# Altium PCB MOSAIC_RCB.PcbDoc (part 1 of 2) (continued)
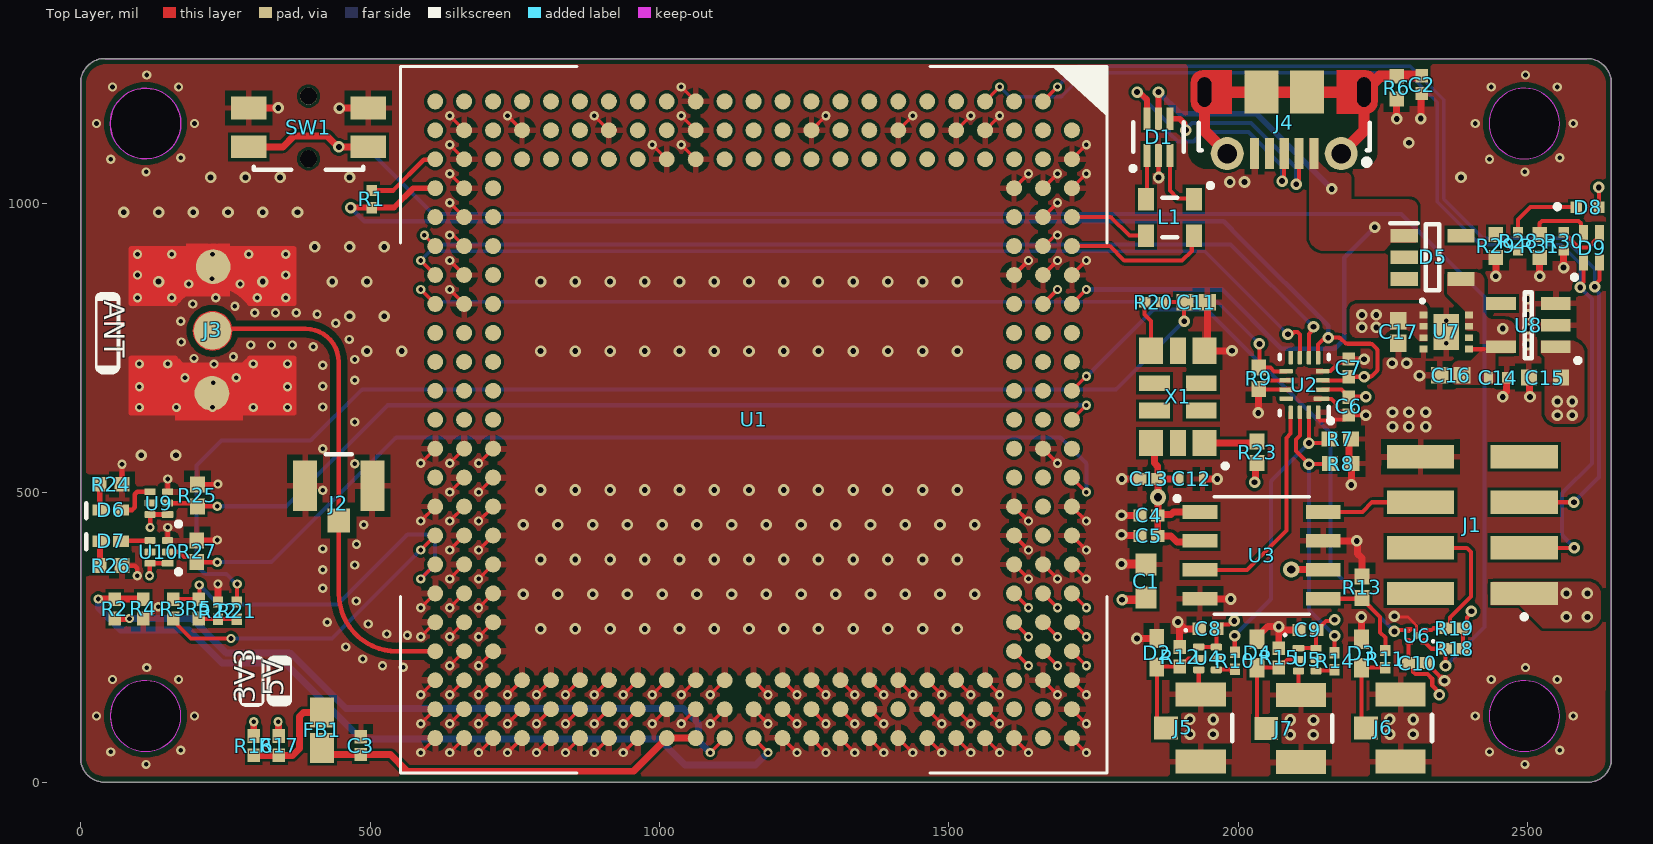
[diagram p0: Top Layer view]
## Footprints (in the part's own frame and the unit in brackets; to place one, negate y for a bottom-side part, rotate by r counter-clockwise, add the part's x,y. Pads: shape width x height; smd on the part's side, far side on the other; paste and mask are expansions set on the pad) (continued)
  Top Layer region: -146.01,-140 -146.01,140 -145.63,141.92 -144.55,143.55 -142.92,144.63 -141,145.02 -141,145.02 -48,145.02 -46.08,144.63 -44.45,143.55 -43.37,141.92 -42.98,140 -42.98,140 -42.98,65 -43.5,62.79 -44.93,61.04 -46.98,60.09 -46.98,60.09 -48.52,57.82 -68.41,31.9 -75.48,0 -68.41,-31.9 -48.52,-57.82 -48.52,-57.82 -46.98,-60.09 -44.93,-61.04 -43.5,-62.79 -42.98,-65 -42.98,-65 -42.98,-140 -43.37,-141.92 -44.45,-143.55 -46.08,-144.63 -48,-145.02 -48,-145.01 -140,-145.01 -140.5,-144.99 -142.57,-144.76 -144.36,-143.72 -145.58,-142.03 -146.02,-140
  body extent -127,-431 125,129, height 339
SOIC8_ONS [mm]
  rect 1.52x0.6 smd paste+0 mask+0: 1(-2.705,1.905) 2(-2.705,0.635) 3(-2.705,-0.635) 4(-2.705,-1.905) 5(2.705,-1.905) 6(2.705,-0.635) 7(2.705,0.635) 8(2.705,1.905)
  silkscreen extent -3.79,-2.58 2.08,2.58, body extent -3.1,-2.45 3.1,2.45, height 1.76
SOT95P280X100-5N [mm]
  rect 1.2x0.6 smd: 1(-1.25,0.95) 2(-1.25,0) 3(-1.25,-0.95) 4(1.25,-0.95) 5(1.25,0.95)
  silkscreen extent -1.85,-1.45 0.3,1.5, body extent -1.4,-1.45 1.4,1.45, height 1
USB-MICRO-B_V [mm] "USB, MICRO B, Body 7.491x4.695 mm, Pitch 0.65 mm"
  rect 0.4x1.35 smd: 1(-1.3,1.35) 2(-0.65,1.35) 3(0,1.35) 4(0.65,1.35) 5(1.3,1.35)
  round 1.45 hole 0.85: 6(-2.5,1.35) 7(2.5,1.35)
  rrect50% 0x0 hole 0.6 slot 1.3 at 90 deg: 8(-3.5,-1.35) 11(3.5,-1.35)
  rect 1.5x1.9 smd: 9(-1,-1.35) 10(1,-1.35)
  Top Layer circle w0.5: c-3.6,-0.9 r0.25
  Top Layer circle w0.5: c3.6,-1.8 r0.25
  Top Layer circle w0.5: c3.6,-0.9 r0.25
  Top Layer region: -3.6,-1.8 -3.6,-0.9 -4.1,-0.9 -4.1,-1.8
  Top Layer region: 3.6,-0.9 3.6,-1.8 4.1,-1.8 4.1,-0.9
  Top Layer region: 2.3,-0.4 2.3,-2.3 3.6,-2.3 3.6,-0.4
  Top Layer region: -2.3,-2.3 -2.3,-0.4 -3.6,-0.4 -3.6,-2.3
  Top Layer lines w0.5: -3.75,-1.6 ccw(c-3.6,-1.8) -3.8,-1.65 ccw(c-3.6,-1.8) -3.85,-1.8 ccw(c-3.6,-1.8) -3.75,-1.6
  silkscreen extent -3.75,-0.01 3.75,1.85, body extent -4.1,-3.9 4.1,1.5, height 2.67
X2SON5_SOT1226_NEX [mil]
  rect 2x2 smd: 1(-12.5,9.75) 2(-12.5,-9.75) 4(12.5,-9.75) 5(12.5,9.75)
  rect 9.84x9.84 smd rot 45 paste-5.5 mask+0: 3(0,0)
  Top Layer region: -7.87,-14.75 -19,-14.75 -19,-4.75 -11.75,-4.75 -7.87,-8.63
  Top Layer region: -6.89,14.75 -19,14.75 -19,4.75 -11.75,4.75 -6.89,9.61
  Top Layer region: 7.87,-14.75 19,-14.75 19,-4.75 11.75,-4.75 7.87,-8.63
  Top Layer region: 6.89,14.75 19,14.75 19,4.75 11.75,4.75 6.89,9.61
  Top Layer region: 0,-5.5 0,-5.5 0,-5.5 0,-5.5 0,-5.5 0,-5.5 0,-5.5 0,-5.5
  Top Layer region: 0,5.5 0,5.5 0,5.5 0,5.5 0,5.5 0,5.5 0,5.5 0,5.5
  silkscreen extent -29,9 -28,11, body extent -16,-16 16,16, height 15

## Part data
C1: library part CMP-13271-003290-1, "Cap Ceramic 22uF 10V X5R ±20% Pad SMD 0603 +85°C T/R", Case Code (Imperial)=0603, Case Code (Metric)=1608, Max Operating Temperature=85°C, Min Operating Temperature=-55°C, Tolerance=20%, Voltage Rating=10V, Capacitance=22uF, Case/Package=0603, Length=0.063inch, Mount="Surface Mount", Packaging="Tape and Reel", Thickness=0.037inch, Width=0.031inch
C2 C3 C4 C5 C6 C7 C8 C9 C10 C13: library part CMP-2008-02743-1, Manufacturer="AVX Interconnect / Elco", Part Number=04026D104KAT2A
C11: library part CMP-2008-04338-1, Manufacturer=Murata, Part Number=GRM1555C1H330JZ01D
C12: library part CMP-2000-05993-1, "Chip Capacitor, 10 uF, +/- 20%, -55 to 85 degC, 0402 (1005 Metric), RoHS, Tape and Reel", Capacitance=10µF, Manufacturer=TDK, Operating Temperature=-55°C~85°C, Package / Case=0402(1005Metric), Package Description="2-Pin Surface Mount Device, Body 1.00 x 0.50 mm", Package Reference=0402, PCN Part Number=MLCCPartNumberChange30/Nov/2012, Ratings=-, Standard Package=1, Temperature Coefficient=X5R, Tolerance=±20%, Voltage - Rated=6.3V, Applications=GeneralPurpose, Category=Capacitors, Datasheet URL=http://download.siliconexpert.com/pdfs/2015/4/21/15/54/45/779/tdk_/manual/37024850441143360mlcc_commercial_general_en.pdf, Datasheet Version=03/2015, Family=CeramicCapacitors, Features=-, Height - Seated (Max)=-, Kits=445-9021-KIT-ND-KITMLCC100PF-10UF04026.3-50V445-9003-KIT-ND-KITCAPCERHICAPMLCCSMD, Lead Spacing=-, Lead Style=-, Manufacturer URL=http://www.tdk.com/, Mounting Technology=SurfaceMount, Mounting Type=SurfaceMount,MLCC, Online Catalog=CSeries,GeneralPurpose, Other Names=445-8920-1, Packaging=CutTape(CT), Product Training Modules=CSeriesGeneralApplicationsSEAT,CCV,andTVCLDesignToolsGuidetoReplacinganElectrolyticCapacitorwithanMLCC, RoHS Information=RoHSCertificate-MLCC, Series=C, Size / Dimension="0.039\"Lx0.020\"W(1.00mmx0.50mm)", Thickness (Max)="0.020\"(0.50mm)"
C14: library part CMP-2000-05997-2, "CAP CER 4.7UF 10V X5R 0402", Case Code (Imperial)=0402, Case Code (Metric)=1005, Dielectric=X5R, Dielectric Material=Ceramic, Max Operating Temperature=85°C, Min Operating Temperature=-55°C, Package Quantity=10000, Tolerance=10%, Voltage Rating=10V, Capacitance=4.7uF, Case/Package=0402, Lead Free="Lead Free", Length=0.039inch, Mount="Surface Mount", Packaging="Cut Tape", REACH SVHC="No SVHC", RoHS Compliant=Yes, Series=C, Thickness=0.022inch, Voltage Rating (DC)=10V, Width=0.02inch
C15: library part CMP-2000-06226-4, "Multilayer Ceramic Capacitor 10uF 16V X5R 20% SMD 0603 T/R", Case Code (Imperial)=0603, Case Code (Metric)=1608, Dielectric=X5R, Max Operating Temperature=85°C, Min Operating Temperature=-55°C, Package Quantity=1, Tolerance=20%, Voltage Rating=16V, Capacitance=10uF, Case/Package=0603, Construction=Flat, Halogen Free="Halogen Free", Height=0.8mm, Length=0.063inch, Mount="Surface Mount", Packaging="Tape and Reel", RoHS Compliant=Yes, Series=M, Termination=SMD/SMT, Thickness=0.031inch, Voltage Rating (DC)=16V, Width=0.031inch
C16 C17: library part CMP-2008-04506-1, Manufacturer=Murata, Part Number=GRM155C80J105KE15D
D1: library part CMP-12225-000058-1, "TVS DIODE 5.25V 17V SOT666", Breakdown Voltage=6V, Capacitance=3.5pF, Case/Package=SOT-666, Clamping Voltage=17V, Leakage Current=150nA, Max Operating Temperature=125°C, Min Operating Temperature=-40°C, Operating Supply Voltage=5V, Package Quantity=1, Peak Pulse Current=5A, Power Line Protection=Yes, Test Current=1mA, Contact Plating=Tin, Depth=1.3mm, Direction=Unidirectional, Element Configuration=Dual, ESD Protection=Yes, Height=0.6mm, Lead Free="Lead Free", Length=1.7mm, Max Breakdown Voltage=6V, Max Reverse Leakage Current=150nA, Min Breakdown Voltage=6V, Mount="Surface Mount", Number of Bidirectional Channels=2, Number of Channels=2, Number of Elements=1, Number of Pins=6, Packaging="Tape and Reel", Polarity=Unidirectional, Radiation Hardening=No, REACH SVHC="No SVHC", Reverse Breakdown Voltage=6V, Reverse Standoff Voltage=5V, Termination=SMD/SMT, Width=1.3mm, Working Voltage=5V
D2 D3 D4: library part CMP-08607-000011-1, "TVS DIODE 14V 40V 0402", Breakdown Voltage=14V, Capacitance=0.25pF, Clamping Voltage=40V, Manufacturer="Littelfuse Inc.", Package=PESD0402, Temperature="-55°C to +125°C", Temperature Range High=+125°C, Temperature Range Low=-55°C, Automotive=Yes, Automotive Grade="Grade 1", Category=Diode, ComponentLink2Description=Datasheet, ComponentLink2URL=https://www.littelfuse.com/~/media/electronics/datasheets/polymer_esd_suppressors/littelfuse_polymer_esd_suppressor_pesd_catalog_datasheet.pdf.pdf, Device Class L1="Circuit Protection", Device Class L2="TVS Diodes", Device Class L3=unset, Digikey Description="TVS DIODE 14V 40V 0402", Direction=Bidirectional, Height=0.43mm, Ipc Land Pattern Name=DIOC10050X33, Lead Free=Yes, Manufacturer Part Number=PESD0402-140, Number of Channels=1, Octopart=https://octopart.com/pesd0402-140-littelfuse-74215061, Reverse Standoff Voltage=14V, RoHS=TRUE
D5: "Schottky Diode", Manufacturer_Name="ROHM Semiconductor", Mouser Part Number=755-RB496EATR, Datasheet Link=https://fscdn.rohm.com/en/products/databook/datasheet/discrete/diode/schottky_barrier/rb496eatr-e.pdf, Height=1mm, Manufacturer_Part_Number=RB496EATR, Mouser Price/Stock=https://www.mouser.co.uk/ProductDetail/ROHM-Semiconductor/RB496EATR/?qs=4kLU8WoGk0tzYHEk1W59vw%3D%3D
D6 D7: library part CMP-44529-000044-1, "LED GREEN CLEAR CHIP SMD", Case Code (Imperial)=0402, Case Code (Metric)=1005, Color=Green, Forward Current=20mA, Forward Voltage=2.1V, Lens Color=Clear, Max Operating Temperature=85°C, Min Operating Temperature=-40°C, Package Quantity=2000, Case/Package=0402, Dominant Wavelength=570nm, Height=0.6mm, Illumination Color=Green, Lead Free="Lead Free", Length=1mm, Lens Style=Clear, Luminous Intensity=50mcd, Mount="Surface Mount", Number of LEDs=1, Number of Pins=2, Packaging="Tape and Reel", Test Current=20mA, Viewing Angle=120°, Wavelength=570nm, Width=0.5mm
D8: library part CMP-113271-000002-1, "LED BLUE CLEAR 0402 SMD", Case Code (Imperial)=0402, Case Code (Metric)=1005, Color=Blue, Forward Voltage=3.1V, Lens Color=Colorless, Test Current=20mA, Case/Package=0402, Dominant Wavelength=465nm, Height=0.6mm, Length=1mm, Lens Size=0.5mm, Lens Style=Flat, Lens Transparency=Clear, Luminous Intensity=85mcd, Mount="Surface Mount", Packaging="Tape and Reel", Viewing Angle=140°, Width=0.5mm
D9: library part CMP-2000-06424-2, "LED GREEN/RED DIFFUSED 0603 SMD", Case Code (Imperial)=0603, Case Code (Metric)=1608, Color=Green, Forward Current=20mA, Forward Voltage=2.2V, Lens Color=White, Max Operating Temperature=85°C, Min Operating Temperature=-40°C, Package Quantity=1, Power Dissipation=52mW, Reverse Voltage=5V, Case/Package=0603, Depth=0.8mm, Dominant Wavelength=621nm, Height=0.5mm, Illumination Color=Green, Lead Free="Lead Free", Length=1.6mm, Lens Style=Rectangular, Lens Transparency=Diffused, Luminous Intensity=10mcd, Mount="Surface Mount", Number of Elements=2, Number of LEDs=2, Number of Pins=4, Number of Terminals=4, Packaging="Tape and Reel", Power Rating=52mW, Radiation Hardening=No, REACH SVHC="No SVHC", Shape=Rectangular, Test Current=20mA, Viewing Angle=120°, Wavelength=572nm, Width=0.8mm
FB1: library part CMP-0686-00445-3, "Chip Ferrite Bead, 0603, 220Ω @ 100MHz, 0.25Ω, 25%, 700mA", Case Code (Imperial)=0603, Case Code (Metric)=1608, Current Rating=500mA, DC Resistance (DCR)=250mR, Frequency=100MHz, Max Operating Temperature=125°C, Min Operating Temperature=-55°C, Package Quantity=1, Tolerance=25%, Case/Package=0603, Core Material=Ferrite, DC Current=500mA, DC Resistance-Max=250mR, Depth=0.8mm, Height=0.8mm, Impedance=220R, Lead Free="Lead Free", Length=1.6mm, Material=Steel, Max Current Rating=500mA, Max DC Current=500mA, Military Standard=Not, Number Of Circuits=1, Number of Lines=1, Number of Pins=2, Packaging="Tape and Reel", Radiation Hardening=No, REACH SVHC="No SVHC", RoHS Compliant=Yes, Series=BLM18A, Shielding=Unshielded, Termination=SMD/SMT, Test Frequency=100MHz, Width=0.8mm
J1: "Dual Row 8 Position 2 mm Pitch Surface Mount Header", Color=Black, Manufacturer=Sullins, Package Quantity=1000, Supplier Part Number 1=S6009-04-ND, Category=Connectors, ComponentLink1Description=https://datasheet.ciiva.com/711/nrpnxx2mamx-rc-10495-d-711179.pdf?src-supplier=Digi-Key, ComponentLink1URL=https://datasheet.ciiva.com/711/nrpnxx2mamx-rc-10495-d-711179.pdf?src-supplier=Digi-Key, Connector Type="Male Pin", Contact Material=Brass, Contact Mating Length=0.141inch, Contact Plating=Gold, Contact Type="Male Pin", Height=1.5mm, Housing Material=Nylon, Lead Free="Lead Free", Length=8mm, Manufacturer Part Number=NRPN042MAMS-RC, Mount="Surface Mount", Number of Positions=8, Number Of Rows=2, Packaging=Bulk, Pitch=0.079inch, Pricing 1="1=0.76000, 76=0.60237, 152=0.57618, 456=0.47143, 988=0.41904, 4940=0.37830 (USD)", RoHS=Yes, RoHS Compliant=Yes, Row Spacing=0.079inch, Stock 1=10801, Supplier 1=Digi-Key, Termination=Solder, Width=4mm
J2 J5 J6 J7: library part CMP-2000-05152-3, "CONN U.FL RCPT STR 50 OHM SMD", Dielectric Material=Polymer, Frequency=6GHz, Housing Color=Beige, Insulation Resistance=500MR, Max Operating Temperature=90°C, Min Operating Temperature=-40°C, Package Quantity=2500, Body Material=Bronze, Body Plating=Silver, Connector Type=Coaxial, Contact Material=Brass, Contact Plating=Gold, Depth=3.1mm, Fastening Type=Snap, Gender=Male, Impedance=50R, Lead Free="Lead Free", Length=3mm, Max Frequency=6GHz, Mount="Surface Mount", Orientation=Straight, Packaging="Cut Tape", Radiation Hardening=No, REACH SVHC="No SVHC", Series=U.FL, Termination=Solder, Weight=0.001764oz, Wire/Cable Type=Coaxial
J3: "Rf Coaxial Board Mount Connector", Case/Package=SMA, Dielectric Material=PTFE, Frequency=4Hz, Housing Color=Gold, Manufacturer="Bel Cinch", Manufacturer Part Number=131-3711-301, Max Frequency=4GHz, Max Operating Temperature=165°C, Min Operating Temperature=-65°C, Operating Frequency="0 to 4 Hz to GHz", Package Quantity=25, Supplier Part Number 1=J10507-ND, Voltage Rating=335V, Body Material=Brass, Body Plating=Gold, Category="RF / Coaxial Connectors", Center Contact Plating=Gold, ComponentLink1Description=http://www.mouser.com/Search/include/RoHSCompliant.aspx?qs=sxnx5FoGSWlI%252bs7K%252boh9Yg%3d%3d&src-supplier=Mouser, ComponentLink1URL=http://www.mouser.com/Search/include/RoHSCompliant.aspx?qs=sxnx5FoGSWlI%252bs7K%252boh9Yg%3d%3d&src-supplier=Mouser, ComponentLink2Description=http://www.mouser.com/Search/include/RoHSCompliant.aspx?qs=BzWiDxlKIe%2fRhe5ZDRBb2Q%3d%3d&src-supplier=Mouser, ComponentLink2URL=http://www.mouser.com/Search/include/RoHSCompliant.aspx?qs=BzWiDxlKIe%2fRhe5ZDRBb2Q%3d%3d&src-supplier=Mouser, ComponentLink3Description=http://www.onlinecomponents.com/datasheet/1313711301.aspx?p=11276490&src-supplier=Onlinecomponents.com, ComponentLink3URL=http://www.onlinecomponents.com/datasheet/1313711301.aspx?p=11276490&src-supplier=Onlinecomponents.com, ComponentLink4Description=http://www.mouser.com/Search/include/RoHSCompliant.aspx?qs=sxnx5FoGSWlgU0HI%252bkNgTA%3d%3d&src-supplier=Mouser, ComponentLink4URL=http://www.mouser.com/Search/include/RoHSCompliant.aspx?qs=sxnx5FoGSWlgU0HI%252bkNgTA%3d%3d&src-supplier=Mouser, ComponentLink5Description=http://www.mouser.com/Search/include/RoHSCompliant.aspx?qs=p2XSgoD%252b2ikka7OcbAcBow%3d%3d&src-supplier=Mouser, ComponentLink5URL=http://www.mouser.com/Search/include/RoHSCompliant.aspx?qs=p2XSgoD%252b2ikka7OcbAcBow%3d%3d&src-supplier=Mouser, ComponentLink6Description=http://www.mouser.com/Search/include/RoHSCompliant.aspx?qs=CoHYZihNMM5AOHZHjTCMkA%3d%3d&src-supplier=Mouser, ComponentLink6URL=http://www.mouser.com/Search/include/RoHSCompliant.aspx?qs=CoHYZihNMM5AOHZHjTCMkA%3d%3d&src-supplier=Mouser, ComponentLink7Description=http://www.mouser.com/Search/include/RoHSCompliant.aspx?qs=hJAXt0VUbWsyDbF0CdNvSg%3d%3d&src-supplier=Mouser, ComponentLink7URL=http://www.mouser.com/Search/include/RoHSCompliant.aspx?qs=hJAXt0VUbWsyDbF0CdNvSg%3d%3d&src-supplier=Mouser, Connector Type="SMB,Male Pin", Contact Material=Brass, Contact Plating=Gold,Nickel, Fastening Type=SNAP-ON, Gender=Female, Impedance=50R, Mount="Surface Mount", Orientation="Right Angle", Packaging=Bulk, Plating=Nickel, Polarity=Reverse, Pricing 1="1=7.75000, 10=7.00900, 25=6.62160, 50=6.46000, 100=6.13700, 250=5.49100, 500=5.16800, 1000=4.52200 (USD)", RoHS=Yes, Shell Plating=Nickel, Stock 1=475, Supplier 1=Digi-Key, Termination=Solder
J4: library part CMP-2000-05827-1, "Micro-USB B Receptacle, Right Angle, Bottom Mount, Surface Mount, with Solder Tabs, -30 to 85 degC, 5-Pin USB, RoHS, Tape and Reel", Manufacturer=Molex, Package Description="5-Leads USB, Micro B, Body 7.5 x 5 mm, Pitch 0.65 mm", Package Reference=MICRO-B, Package Version="Rev. F, 12/2012", Standard Package=1, Voltage - Max=30V, 3D Model=105017-0001.stp, Catalog Drawings=1050170001, Category=Connectors,Interconnects, Circuits=5, Connector Type=USB-microB, Datasheet URL=http://www.molex.com/elqNow/elqRedir.htm?ref=http://www.molex.com/webdocs/datasheets/pdf/en-us/1050170001_IO_CONNECTORS.pdf, Datasheet Version=03/2016, Family=USB,DVI,HDMIConnectors, Featured Product=Micro-USBConnectorsUSBConnectors, Features=Shielded,SolderRetention, Gender=Receptacle, Ingress Protection=-, Manufacturer URL=http://www.molex.com/, Mating Products=WM17145-ND-CABLEMICROUSBBTOSTDA1.0MWM17147-ND-CABLEMICROUSBBTOSTDA2.0MWM17146-ND-CABLEMICROUSBBTOSTDA1.5M, Mounting Technology=SurfaceMount, Mounting Type=BoardCutout,SurfaceMount,RightAngle, Number Of Contacts=5, Online Catalog=Molex-MicroUSB, Other Names=WM1399DKR, Package URL=http://www.molex.com/pdm_docs/sd/1050170001_sd.pdf, Packaging=Digi-Reel®, PCN Assembly/Origin=ResinSupplier21/Oct/2015, RoHS Information=1050170001CertofCompliance, Series=-, Specifications=-
L1: library part CMP-06045-000038-1, "CMC 100MA 2LN 120 OHM SMD", Case Code (Imperial)=1206, Case Code (Metric)=3216, Current=100mA, DC Resistance (DCR)=2R, Max Operating Temperature=85°C, Min Operating Temperature=-40°C, Package Quantity=1, Test Frequency=100MHz, Tolerance=20%, Voltage Rating=16V, Case/Package=1206, Current Rating=100mA, DC Current=100mA, Depth=1.75mm, Height=1.15mm, Impedance=120R, Lead Free="Lead Free", Length=3.2mm, Max DC Current=100mA, Military Standard=Not, Mount="Surface Mount", Number of Lines=2, Packaging="Tape and Reel", Radiation Hardening=No, Shielding=Unshielded, Termination=SMD/SMT, Width=0.063inch
R1: library part CMP-2002-07353-1, Manufacturer="Yageo / Phycomp", Part Number=RC0402FR-0710KL
R2 R3 R4 R5 R16 R17: library part CMP-1011-00001-2, Manufacturer="Yageo / Phycomp", Part Number=RC0402JR-070RL
R6: library part CMP-2002-01143-1, Manufacturer=Panasonic, Part Number=ERJ2RKF3300X
R7 R8 R9 R13 R23 R25 R27: library part CMP-2002-03043-1, Manufacturer="Vishay Dale", Part Number=CRCW040210K0FKEDHP
R10 R11 R14 R20: library part CMP-2002-07619-1, Manufacturer="Yageo / Phycomp", Part Number=RC0402FR-0733RL
R12 R15: library part CMP-2002-07343-1, Manufacturer="Yageo / Phycomp", Part Number=RC0402FR-07100KL
R18 R19: library part CMP-2002-05893-1, Manufacturer=Panasonic, Part Number=ERA2AEB683X
R21 R22: library part CMP-2002-03045-1, Manufacturer="Vishay Dale", Part Number=CRCW04021K00FKEDHP
R24 R26 R29 R31: library part CMP-2002-01009-1, Manufacturer=Panasonic, Part Number=ERJ-2RKF6040X
R28 R30: library part CMP-2002-00605-3, "Chip Resistor, 100 Ohm, +/- 1%, 100 mW, -55 to 155 degC, 0402 (1005 Metric), RoHS, Tape and Reel", Case Code (Imperial)=0402, Case Code (Metric)=1005, Manufacturer="Basic Passives", Max Operating Temperature="155 degC", Min Operating Temperature="-55 degC", Package Quantity=10000, PartNumber=ERJ-2RKF1000X, Power Rating="100 mW", Resistance="100 Ohm", Tolerance=1%, Voltage Rating="50 V", Case\/Package=0402, ComponentLink1Description="Manufacturer URL", ComponentLink1URL=http://www.panasonic.com/, ComponentLink2Description=Datasheet, ComponentLink2URL=http://industrial.panasonic.com/cdbs/www-data/pdf/RDA0000/AOA0000C86.pdf, DatasheetVersion=04/2015, Height="0.35 mm", Length="1 mm", Mount="Surface Mount", Mounting Technology="Surface Mount", PackageDescription="2-Pin Surface Mount Device, Body 1 x 0.5 mm", PackageReference=0402, Packaging="Tape and Reel", Pins=2, Radiation Hardening=No, REACH SVHC=Yes, RoHSCompliant=true, Width="0.5 mm"
SW1: library part CMP-05618-000046-1, "SWITCH TACTILE SPST-NO 0.05A 12V", Actuator Color=Black, Contact Current Rating=50mA, Contact Resistance=500mR, Max Operating Temperature=70°C, Max Voltage Rating (DC)=12V, Min Operating Temperature=-40°C, Operating Force=2.2N, Package Quantity=1, Actuator Length=1mm, Contact Plating=Silver, Current Rating=50mA, Depth=4.5mm, Electrical Life=100000Cycles, Height=1.65mm, Illumination Type=Non-Illuminated, Lead Free="Lead Free", Length=6.4mm, Max Current Rating=50mA, Mechanical Life=100000Cycles, Mount="Surface Mount", Orientation=Straight, Packaging="Tape and Reel", Radiation Hardening=No, RoHS Compliant=Yes, Series=EVQPU, Size=3.5mm, Switch Function=Off-Mom, Switch Travel=0.3mm, Termination="Gull Wing", Throw Configuration=SPST, Voltage Rating (DC)=12V, Width=3.5mm
U1: "mosaicâ„¢-X5 RF Receiver BeiDou, Galileo, GLONASS, GNSS, GPS", Package=None, Availability="In Stock", Check_prices=https://www.snapeda.com/parts/410322/ept/view-part/?ref=eda, MF="Septentrio Inc.", MP=410322, Price=None, Purchase-URL=https://pricing.snapeda.com/search/part/410322/?ref=eda, SnapEDA_Link=https://www.snapeda.com/parts/410322/ept/view-part/?ref=snap
U2: library part CMP-2000-07132-1, "Dual-Bit Bus Transceiver with Configurable Voltage Translation and 3-State Output, 1.2 to 3.6 V, -40 to 85 degC, 16-Pin UQFN (RSV), Green (RoHS & no Sb/Br), Tape and Reel", High Level Output Current=-12mA, Low Level Output Current=12mA, Manufacturer="Texas Instruments", Operating Supply Voltage (Max)=3.6V, Operating Supply Voltage (Min)=1.2V, Operating Supply Voltage (Typ)=1.8/2.5/3.3V, Operating Temp Range=-40Cto85C, Operating Temperature (Max)=85C, Operating Temperature (Min)=-40C, Operating Temperature Classification=Industrial, Package Description="16-Pin Quad Flat No-lead Package, Body 1.8 x 2.6 mm, Pitch 0.4 mm", Package Reference=RSV0016A, Package Type=uQFN, Quiescent Current=80uA, Datasheet URL=http://www.ti.com/lit/ds/symlink/sn74avc4t245.pdf, Datasheet Version="Rev. G, 11/2014", Input Logic Level=CMOS, Logic Family=AVC, Manufacturer URL=http://www.ti.com/, Mounting=SurfaceMount, Mounting Technology=SurfaceMount, Number of  Elements=2, Number of Channels=4, Output Logic Level=CMOS, Output Type=3-State, Package URL=http://www.ti.com/lit/ml/mpqf205c/mpqf205c.pdf, Packaging=TapeandReel, Pin Count=16, Polarity=Non-Inverting, Propagation Delay Time=10.3ns, Rad Hardened=No, Technology=CMOS
U3: "No Description Available", Mfr_Name=onsemi, Copyright="Copyright (C) 2023 Ultra Librarian. All rights reserved.", Digi-Key_Part_Number_1=NB3M8302CDG-ND, Digi-Key_Part_Number_2=NB3M8302CDGOS-ND, Digi-Key_Part_Number_3=2156-NB3M8302CDG-OS-ND, Manufacturer_Part_Number=NB3M8302CDG, RefDes=RefDes, Type=DEV
U4 U5 U9 U10: library part CMP-0859-00836-3, "Single Bus Buffer Gate With 3-State Outputs, DRY0006A, LARGE T&R", F @ Nom Voltage(Max)(Mhz)=150, Generic Part Number=SN74LVC1G126, ICC @ Nom Voltage(Max)(mA)=0.01, Manufacturer="Texas Instruments", Operating Temperature Range(C)="-40 to 125,-40 to 85", Rating=Catalog, tpd @ Nom Voltage(Max)(ns)=8,5.5,4.5,4, Voltage(Nom)(V)=1.8,2.5,3.3,5, 3-State Output=Yes, Bits(#)=1, DatasheetVersion=SCES224R, Input Type=CMOS/TTL, Logic=True, Output Drive (IOL/IOH)(Max)(mA)=32/-32, Output Type=CMOS, PackageReference=DRY0006A, Schmitt Trigger=No, Sub-Family="Non-Inverting Buffer/Driver", Technology Family=LVC, VCC(Max)(V)=5.5, VCC(Min)(V)=1.65
U6: "No Description Available", Mfr_Name=Nexperia, Copyright="Copyright (C) 2023 Ultra Librarian. All rights reserved.", Digi-Key_Part_Number_1=1727-7785-2-ND, Digi-Key_Part_Number_2=1727-7785-1-ND, Digi-Key_Part_Number_3=1727-7785-6-ND, Manufacturer_Part_Number=74AUP1T08GXH, RefDes=RefDes, Type=DEV
U7: library part CMP-0786-00127-1, "500 mA, Low Quiescent Current, CMOS Linear Regulator, 2.3 to 5.5 V Vin, 3.3 V Vout, Industrial, 8-pin SON (CP-8-8), Reel", Manufacturer="Analog Devices", Preset Vout Values (V)=3.3, Supply Current IGND @ Small Load=45uA, ComponentLink1Description="Manufacturer URL", ComponentLink1URL=http://www.analog.com/en/index.html, ComponentLink2Description=Datasheet, ComponentLink2URL=http://www.analog.com/static/imported-files/data_sheets/ADP124_125.pdf, ComponentLink3Description="Package Specification", ComponentLink3URL=http:/www.analog.com/static/imported-files/packages/PKG_PDF/LFCSP(CP)/CP_8_8.pdf, ComponentLink4Description="URL Link1", ComponentLink4URL="Product URL:http://www.analog.com/en/ADP124/productSearch.html", DatasheetVersion="Rev. C", Iout max=500mA, Mounting Technology="Surface Mount", PackageDescription="8-Pin Lead Frame Chip Scale Package, Body 2 x 2 mm, Pitch 0.5 mm", PackageReference=CP-8-8, PackageVersion="101028-A, 10/2008", Packing=Reel, PartNumber=ADP124ACPZ-3.3-R7, Vin (max) (V)=5.5, Vin (min) (V)=2.3
U8: library part CMP-0479-00414-1, "Integrated Switch: Replaces Power Supply OR, 2.6 to 5.5 V Vin, 5-pin SOT23 (S5-5), -40 to 85 degC, Pb-Free, Mini Tape and Reel", Manufacturer="Linear Technology", Code_JEDEC=MO-193, ComponentLink1Description="Manufacturer URL", ComponentLink1URL=http://www.linear.com/, ComponentLink2Description=Datasheet, ComponentLink2URL=http://cds.linear.com/docs/en/datasheet/4411fa.pdf, ComponentLink3Description="Package Specification", ComponentLink3URL=http://cds.linear.com/docs/en/packaging/SOT_5_05-08-1635.pdf, DatasheetVersion="Rev. A", Ideal Diode="Single, Internal, P-Channel", Mounting Technology="Surface Mount", PackageDescription="5-Pin Plastic TSOT-23, Body 1.63 x 2.90 mm, Pitch 0.95 mm", PackageReference=S5-5, PackageVersion=Jun-10, Packing="Mini Tape and Reel", PartNumber=LTC4411ES5#TRMPBF, RoHS=TRUE
X1: "1 to 60 MHz, ±50 ppb Super-TCXO", Manufacturer_Name=SiTime, Manufacturer_Part_Number=SIT5358AN-FR-33N0-10.000000, Geometry.Height=1.06mm

## Via types
v1: diameter 16, hole 8, Top Layer to Bottom Layer, tented both sides, 260 vias
v2: diameter 20, hole 10, Top Layer to Bottom Layer, tented both sides, 219 vias
v3: diameter 28, hole 14, Top Layer to Bottom Layer, tented both sides, 2 vias

## Nets (pads, with @x,y where several pads share a name; then routed paths per layer and width w, separated by ;. In a path a pad name is that pad's centre, name@x,y a point inside that pad or via, vN(x,y) a via of type N, cw(c..) or ccw(c..) an arc to the next point about the centre after c; other vN are vias at no path point)
1V8_OUT: C7.2 R1.2 U1.AC4 U2.3 U2.5 | length 2228.5
  Top Layer w7: U2.5@2137.8,733.27 2137.8,755.58 2147.45,765.23 2153.02,765.23 v2(2155.51,767.72) 2172.78,767.72 cw(c2172.78,760.72) 2177.75,765.65 2184.15,759.24 ccw(c2189.09,764.21) 2189.05,757.21 2227.85,757.21 cw(c2227.85,750.21) 2232.76,755.19 2238.65,749.3 cw(c2233.68,744.37) 2240.68,744.37 2240.68,714.37 cw(c2233.68,714.37) 2238.67,709.45 2231.44,702.23 cw(c2226.51,707.2) 2226.51,700.2 v2(2217.39,700.2) C7.2@2190.94,700.2 ; U2.3@2145.67,693.9 2183.46,693.9 C7.2@2190.35,700.79
  Top Layer w10: v2(466.54,992.52) R1.2@502.95,992.52 541.34,992.52 574.8,1025.98 U1.AC4@612.6,1025.98
  Bottom Layer w8: v2(466.54,992.52) 490.06,969 1974.51,969 2004.57,938.93 2155.51,788 v2(2155.51,767.72)
2V8_IN: R2.2 R4.1 U1.M23 | length 1400.8
  Top Layer w6: U1.M23@1162.6,75.98 v1(1187.6,50.98)
  Top Layer w12: v1(30.63,316.36) 30.84,316.15 58.85,316.15 R2.2@59.06,315.94 R4.1@102.36,315.94
  Bottom Layer w12: v1(30.63,316.36) 30.63,301.16 68.79,263 187.57,263 244.57,206 353.22,206 484.42,74.8 999.02,74.8 1044.29,29.53 1166.14,29.53 v1(1187.6,50.98)
2V8_OUT: R2.1 U1.N23 | length 1177.7
  Top Layer w6: v1(1087.6,50.98) U1.N23@1112.6,75.98
  Top Layer w12: R2.1@59.06,282.48 v1(84.44,282.48)
  Bottom Layer w12: v1(84.44,282.48) 97.43,282.48 152.04,282.48 152.17,282.36 192.25,282.36 251.61,223 360.26,223 361.26,222 363.63,222 458.24,127.39 1041.7,127.39 1067.61,101.49 1067.61,70.98 v1(1087.6,50.98)
3V3: C1.1 C4.1 C5.1 C6.2 C8.2 C9.2 C10.2 C12.2 C13.2 C17.2 R16.1 R18.2 R19.2 R23.2 U1.A18 U1.A19 U1.A20 U1.B8 U1.B18 U1.B19 U1.B20 U1.C18 U1.C19 U1.C20 U2.2 U3.1 U3.2 U3.6 U4.1 U4.6 U5.1 U5.6 U6.5 U7.1 U7.2 U7.3 U9.1 U9.6 U10.1 U10.6 X1.9 | length 3268.1
  Top Layer w6: U1.C20@1612.6,225.98 v1(1637.6,200.98) ; U1.C19@1612.6,275.98 v1(1637.6,250.98) ; U1.C18@1612.6,325.98 v1(1637.6,300.98) ; U1.B20@1662.6,225.98 v1(1687.6,200.98) ; U1.B19@1662.6,275.98 v1(1687.6,250.98) ; U1.B18@1662.6,325.98 v1(1687.6,300.98) ; U1.B8@1662.6,825.98 v1(1687.6,850.98) ; U1.A20@1712.6,225.98 v1(1737.6,200.98) ; U1.A19@1712.6,275.98 v1(1737.6,250.98) ; U1.A18@1712.6,325.98 v1(1737.6,300.98)
  Top Layer w7: U4.1@1931.69,233.27 U4.6@1962.01,233.27 1962.01,263.58 C8.2@1963.19,264.76 1970.32,271.89 1984.03,271.89 1990.67,278.53 v2(1993.02,278.53) ; U5.1@2103.94,231.3 U5.6@2134.25,231.3 2134.25,261.61 C9.2@2135.43,262.8 2136.22,262.8 2151.45,278.02 2163.85,278.02 v2(2166.34,280.51) ; U2.2@2145.67,678.15 2178.54,678.15 2190.94,665.75 C6.2@2190.94,664.96 2191.75,665.76 v2(2220.47,665.76) ; U6.5@2295.57,243.2 2294.09,241.73 C10.2@2294.09,205.71 2294.88,205.71 2302.01,198.58 2302.01,190.56 2306.11,186.46 2327.08,186.46 2335.05,178.49 2335.05,166.5 2347.44,154.11 v2(2347.44,150.59) ; R18.2@2387.8,230.32 R19.2@2387.8,265.75 2388.78,265.75 2395.12,272.09 2395.12,284.32 2402.69,291.89 v2(2402.69,295.14)
  Top Layer w8: v1(119.09,356.3) 119.59,356.79 119.59,377.46 U10.6@120.08,377.95 U10.1@150.39,377.95 ; v1(120.08,439.96) U9.6@120.08,462.21 U9.1@150.39,462.21 ; C1.1@1836.77,314.96 C1.1@1840.55,318.74
  Top Layer w12: R16.1@299.18,79.75 v1(299.15,104.11) ; X1.9@1849.41,585.63 1855.31,579.72 1855.31,550.98 1860.83,545.47 C13.2@1860.83,523.62 ; C12.2@1898.67,523.62 C13.2@1860.83,523.62 ; U3.2@1933.85,416.73 1931.69,414.57 1894.35,414.57 1883.72,425.2 C5.1@1860.83,425.2 C4.1@1860.83,460.63 C4.1@1861.02,460.83 ; U3.1@1933.85,466.73 1888.25,466.73 1883.72,462.2 1862.4,462.2 C4.1@1861.02,460.83 ; v2(2028.06,517.81) 2029.59,519.34 2029.59,548.29 R23.2@2032.48,551.18 ; v3(2091.54,367.13) 2091.73,366.93 2146.66,366.93 U3.6@2146.85,366.73 ; C13.2@1860.83,523.62 1861.02,523.43 1861.02,492.32 v3(1861.22,492.13) 1861.02,491.93 C4.1@1861.02,460.83
  Top Layer w15: v2(1799.21,314.96) C1.1@1836.77,314.96
  Int2 (GND) w8: v1(120.08,439.96) 119.59,439.47 119.59,356.79 v1(119.09,356.3) 197.13,278.26 197.13,165.07 258.09,104.11 v1(299.15,104.11) 368.27,173.23 1609.84,173.23 v1(1637.6,200.98)
  Int2 (GND) w12: v2(2220.47,665.76) v2@2220.47,667.93
  other v2: 2213.58,785.43 2238.39,785.43 2213.58,807.09 2238.39,807.09
5V: C14.1 C16.2 D5.4 D8.2 R17.1 U7.5 U7.7 U7.8 U8.5 | length 3248.1
  Top Layer w7: v2(2622.56,1027.36) 2622.8,1027.13 2622.8,993.34 D8.2@2623.03,993.11
  Top Layer w8: U7.5@2398.62,748.03 2424.21,748.03
  Top Layer w12: v1(341.18,104.36) 341.85,103.69 341.85,80.4 R17.1@342.52,79.72
  Int2 (GND) w7: v2(2456.69,783.46) 2456.69,859.66 2463.38,866.35 2463.38,866.85 2622.56,1026.03 v2(2622.56,1027.36)
  Int2 (GND) w12: v1(341.18,104.36) 469.97,104.36 499.53,74.8 999.02,74.8 1054.13,19.68 2313.69,19.68 ccw(c2313.69,31.68) 2322.14,23.17 2385.29,86.32 ccw(c2376.78,94.78) 2388.78,94.73 ; 2388.78,94.78 2388.78,146.53 cw(c2444.17,146.35) 2404.81,185.32 2478.16,258.67 ccw(c2469.63,267.11) 2481.63,267.11 2481.63,707.35 2456.69,732.28 v2(2456.69,783.46)
EXT_EVENT_A: R7.2 R10.2 U2.15 | length 504.9
  Top Layer w7: v2(1993.6,252.95) 1993.85,252.71 1993.85,224.66 R10.2@1994.09,224.41 ; U2.15@2122.05,638.78 v2(2122.05,585.63) 2147.2,585.63 2153.54,591.97 R7.2@2153.54,592.52
  Top Layer w8: R10.2@1992.13,226.38 ccw(c1994.09,226.38) R10.2@1994.09,224.41
  Bottom Layer w7: v2(1993.6,252.95) 2054.33,313.68 ccw(c2049.36,318.61) 2056.36,318.61 2056.36,517.04 cw(c2063.36,517.04) 2058.39,521.97 v2(2122.05,585.63)
EXT_EVENT_B: R8.2 R14.2 U2.14 | length 482.3
  Top Layer w7: U2.14@2106.3,638.78 2106.3,598.43 2099.61,591.74 2099.61,571.65 v2(2122.05,549.21) 2157.48,549.21 R8.2@2158.46,550.2 ; R14.2@2166.34,223.43 v2(2166.34,252.95)
  Bottom Layer w7: v2(2122.05,549.21) 2122.05,300.14 ccw(c2129.05,300.14) 2124.08,295.22 v2(2166.34,252.95)
EXT_PPS: U2.13 U3.3 | length 384.7
  Top Layer w7: U3.3@1933.85,366.73 2015.35,366.73 2083.07,434.45 2083.07,594.46 2090.55,601.94 U2.13@2090.55,638.78
EXT_PPS_OUT: R11.2 R13.2 U3.5 | length 172.9
  Top Layer w7: U3.5@2146.85,316.73 2213.78,316.73 2245.08,285.43 2245.08,258.68 2253.94,249.82 R11.2@2253.94,227.36
EXT_REF: R5.2 R21.2 R22.2 | length 66.4
  Top Layer w7: R5.2@204.23,281.99 R21.2@269.19,281.99
  Top Layer w12: R5.2@203.74,282.48 R5.2@204.23,281.99 ; R21.2@269.19,281.99 R21.2@269.68,281.5